# Altium PCB InsaneKeyboard.PcbDoc (part 1 of 4) (continued)
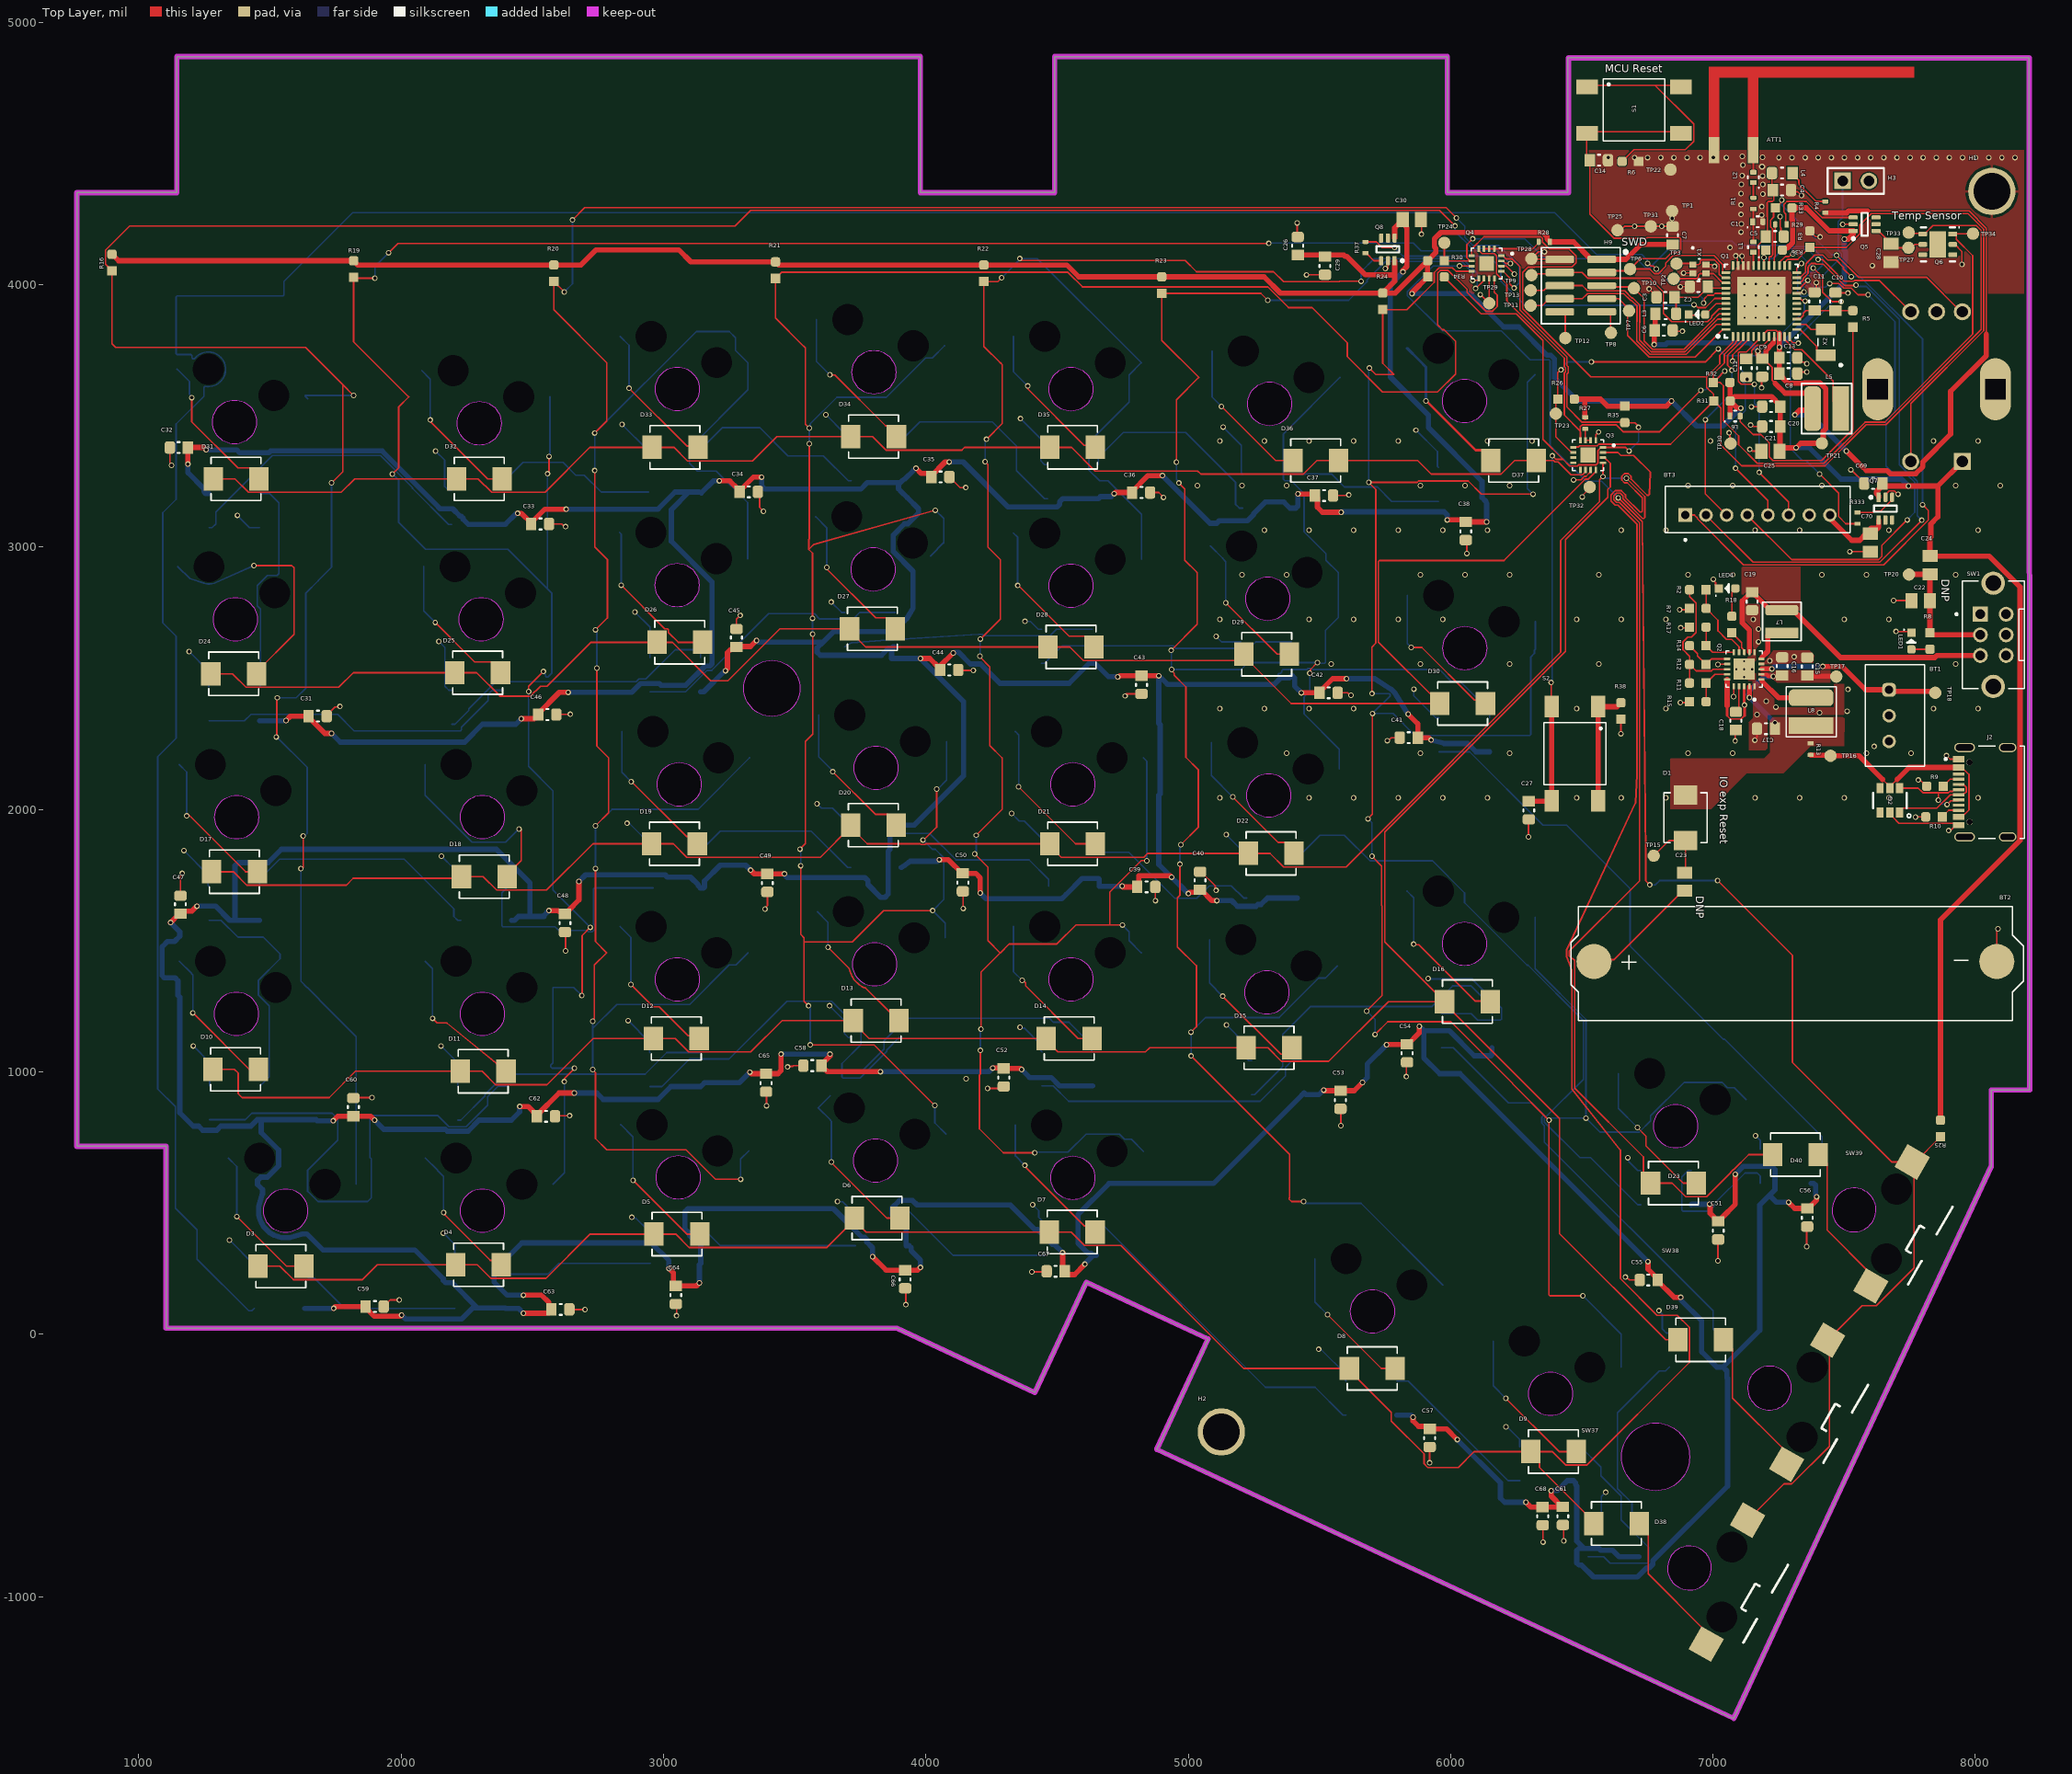
[diagram p0: Top Layer view]
## Design rules (kind name [scope] priority, off if disabled: settings)
BoardOutlineClearance [All] p1: gap=9 ignorepadtopadclearanceinfootprint=FALSE
Clearance [All] p1: gap=4 ignorepadtopadclearanceinfootprint=FALSE
HoleSize [All] p1: absolutevalues=TRUE maxlimit=248 minlimit=1 maxpercent=80.000 minpercent=20.000
HoleToHoleClearance [All] p1: gap=7.87 allowstackedmicrovias=TRUE
MinimumSolderMaskSliver [All] p1: minsoldermaskwidth=1
PlaneClearance [All] p1: clearance=20
PlaneConnect [All] p1: planeconnectstyle=Direct reliefexpansion=20 reliefentries=4 reliefconductorwidth=10 reliefairgap=10
PolygonConnect vout [InNet('+3.3V') or InNet('VAEM')] p1: connectstyle=Direct reliefconductorwidth=10 reliefentries=4 polygonreliefangle="90 Angle" airgapwidth=10
PolygonConnect [All] p2: thpad.connectstyle=Relief thpad.reliefconductorwidth=10 thpad.reliefentries=4 thpad.polygonreliefangle="90 Angle" thpad.airgapwidth=10 smdpad.connectstyle=Direct smdpad.reliefconductorwidth=10 smdpad.reliefentries=4 smdpad.polygonreliefangle="90 Angle" smdpad.airgapwidth=10 via.connectstyle=Direct via.reliefconductorwidth=10 via.reliefentries=4 via.polygonreliefangle="90 Angle" via.airgapwidth=10
RoutingVias [All] p1: holewidth=13 width=21 viastyle="Through Hole" minholewidth=6 minwidth=10 maxholewidth=13 maxwidth=25
SilkToSilkClearance [All] p1: silktosilkclearance=4
SilkToSolderMaskClearance [IsPad] p1: minsilkscreentomaskgap=4 clearancetoexposedcopper=TRUE
SolderMaskExpansion [All] p1: expansion=4 istentingtop=FALSE
UnRoutedNet [All] p1: checkbadconnections=TRUE
Width "Schematic Width Constraint_10" [InNet('DISPLAY_LOAD_SW')] p1: maxlimit=20 minlimit=6 preferedwidth=20
Width "Schematic Width Constraint_9" [InNet('LED_PWR')] p2: maxlimit=20 minlimit=6 preferedwidth=20
Width "Schematic Width Constraint_8" [InNet('VBAT')] p3: maxlimit=20 minlimit=6 preferedwidth=20
Width "Schematic Width Constraint_7" [InNet('VDCDC')] p4: maxlimit=20 minlimit=6 preferedwidth=20
Width "Schematic Width Constraint_6" [InNet('NetC17_1')] p5: maxlimit=20 minlimit=6 preferedwidth=20
Width "Schematic Width Constraint_3" [InNet('VSTOR')] p6: maxlimit=20 minlimit=6 preferedwidth=20
Width "Schematic Width Constraint_2" [InNet('NetL8_2')] p7: maxlimit=20 minlimit=6 preferedwidth=20
Width "Schematic Width Constraint" [InNet('+3.3V')] p8: maxlimit=20 minlimit=6 preferedwidth=20
Width "Schematic Width Constraint_5" [InNet('USB_VCC')] p9: maxlimit=20 minlimit=6 preferedwidth=20
Width "Schematic Width Constraint_4" [InNet('VMCU')] p10: maxlimit=20 minlimit=6 preferedwidth=20
Width "Schematic Width Constraint_1" [InNet('VOUT')] p11: maxlimit=20 minlimit=6 preferedwidth=20
Width [All] p12: maxlimit=20 minlimit=6 preferedwidth=6
22 further rules are at their usual default settings.

## Classes and differential pairs
component class LIGHTS: C29 C30 C31 C32 C33 C34 C35 C36 C37 C38 C39 C40 C41 C42 C43 C44 C45 C46 C47 C48 C49 C50 C51 C52 C53 C54 C55 C56 C57 C58 C59 C60 C61 C62 C63 C64 C65 C66 C67 C68 LED LED5 LED6 LED7 LED8 LED9 LED10 LED11 LED12 LED13 LED14 LED15 LED16 LED17 LED18 LED19 LED20 LED21 LED22 LED23 LED24 LED25 LED26 LED27 LED28 LED29 LED30 LED31 LED32 LED33 LED34 LED35 LED36 LED37 LED38 LED39 LED40 LED41 Q8 R37
component class DISPLAY: BT3 C69 C70 Q7 R333
net class RADIO_PF[7..0]: RADIO_PF0 RADIO_PF1 RADIO_PF2 RADIO_PF3 RADIO_PF4 RADIO_PF5 RADIO_PF6 RADIO_PF7
net class RADIO_PB[15..11]: RADIO_PB11 RADIO_PB12 RADIO_PB13 RADIO_PB14 RADIO_PB15
net class IO_ROW_P[7..0]: IO_ROW_P0 IO_ROW_P1 IO_ROW_P2 IO_ROW_P3 IO_ROW_P4 IO_ROW_P5 IO_ROW_P6 IO_ROW_P7
net class IO_COL_P[7..0]: IO_COL_P0 IO_COL_P1 IO_COL_P2 IO_COL_P3 IO_COL_P4 IO_COL_P5 IO_COL_P6 IO_COL_P7
component class SWITCHES: D3 D4 D5 D6 D7 D8 D9 D10 D11 D12 D13 D14 D15 D16 D17 D18 D19 D20 D21 D22 D23 D24 D25 D26 D27 D28 D29 D30 D31 D32 D33 D34 D35 D36 D37 D38 D39 D40 H1 H2 R16 R19 R20 R21 R22 R23 R24 R25 SW2 SW3 SW4 SW5 SW6 SW7 SW8 SW9 SW10 SW11 SW12 SW13 SW14 SW15 SW16 SW17 SW18 SW19 SW20 SW21 SW22 SW23 SW24 SW25 SW26 SW27 SW28 SW29 SW30 SW31 SW32 SW33 SW34 SW35 SW36 SW37 SW38 SW39
component class RF_ANTENNA_POWER: ATT1 C1 C2 C3 C4 C5 C6 C7 C8 C9 C10 C11 C12 C13 L1 L2 L3 L4 L5 L6 Q1 R1 R4 R5 TP1 TP2 TP3 X1 X2
component class POWER: BT1 BT2 C15 C16 C17 C18 C19 C20 C21 C22 C23 C24 C25 D1 D2 J2 L7 L8 LED1 LED4 Q2 R2 R7 R8 R9 R10 R11 R12 R13 R14 R15 R17 R18 SW1 TP15 TP16 TP17 TP18 TP20 TP21 TP22
component class PERIPHERALS: C26 C27 C28 H3 LED2 MT1 Q3 Q4 Q5 Q6 R3 R26 R27 R28 R29 R30 R31 R32 R33 R34 R35 R36 R38 S2 TP23 TP24 TP25 TP27 TP28 TP29 TP30 TP31 TP32 TP33 TP34
component class EFR32_IO: C14 H9 R6 S1 TP6 TP7 TP8 TP9 TP10 TP11 TP12 TP13
net class RADIO_PD[15..10]: RADIO_PD10 RADIO_PD11 RADIO_PD12 RADIO_PD13 RADIO_PD14 RADIO_PD15
net class RADIO_PC[11..6]: RADIO_PC6 RADIO_PC7 RADIO_PC8 RADIO_PC9 RADIO_PC10 RADIO_PC11
net class RADIO_PA[5..0]: RADIO_PA0 RADIO_PA1 RADIO_PA2 RADIO_PA3 RADIO_PA4 RADIO_PA5

## Components (designator, comment, footprint, x,y, rotation, side; value= is the part's Value field where it differs from the comment)
ATT1 "F_Interverted" F_INVERTED 7153,4464 r90 top net-tie
BT1 "Battery 1000mAh" BATTERY 7671,2358 r90 top
BT2 "Solar Panel" "SOLAR PANEL" 7314,1421 r0 top
BT3 "1.54inch Waveshare Eink Display" "1.54inch waveshare eink" 7175,3169 r180 top
C1 "CAP 1.5pF 50V 0402" "CAPACITOR 0402" 7170.33,4240.22 r0 top value=1.5pF
C2 "CAP 100pF 100V 0603" "CAPACITOR 0603" 6946,3993 r180 top value=100pF
C3 "CAP 100pF 100V 0603" "CAPACITOR 0603" 6819,3952 r180 top value=100pF
C4 "CAP 220nF 50V 0603" "CAPACITOR 0603" 7263,4361 r0 top value=220nF
C5 "CAP 10pF 50V 0603" "CAPACITOR 0603" 7235.24,4184 r0 top value=10pF
C6 "CAP 4.7uF 25V 0603" "CAPACITOR 0603" 6812,3827 r0 top value=4.7uF
C7 "CAP 10uF 10V 0603" "CAPACITOR 0603" 6846,4188 r90 top value=10uF
C8 "CAP 1uF 10V 0603" "CAPACITOR 0603" 7287,3662 r0 top value=1uF
C9 "CAP 0.1uF 100V 0603" "CAPACITOR 0603" 7188,3684 r270 top value=10nF
C10 "CAP 10uF 10V 0603" "CAPACITOR 0603" 7467,3936 r90 top value=10uF
C11 "CAP 10nF 100V 0603" "CAPACITOR 0603" 7387,3936.55 r90 top value=10nF
C12 "CAP 1uF 10V 0603" "CAPACITOR 0603" 7127,3683 r270 top value=1uF
C13 "CAP 1uF 10V 0603" "CAPACITOR 0603" 7287,3722 r0 top value=1uF
C14 "CAP 1uF 10V 0603" "Capacitor 0603" 6565,4475 r0 top value=1uF
C15 "CAP 4.7uF 25V 0603" "CAPACITOR 0603" 7359,2545 r90 top value=4.7uF
C16 "CAP 10nF 100V 0603" "CAPACITOR 0603" 7264,2545.55 r90 top value=10nF
C17 "CAP 4.7uF 25V 0603" "CAPACITOR 0603" 7202.1,2307.91 r180 top value=4.7uF
C18 "CAP 10nF 100V 0603" "CAPACITOR 0603" 7087.1,2337.91 r90 top value=10nF
C19 "22uF 10V X5R 0603" "CAPACITOR 0603" 7149,2794 r270 top value=22uF
C20 "CAP 0.1uF 100V 0603" "CAPACITOR 0603" 7222,3536 r180 top value=10nF
C21 "CAP 0.1uF 100V 0603" "CAPACITOR 0603" 7222,3460 r180 top value=10nF
C22 "CAP 47uF 10V 0805" "CAPACITOR 0805" 7791.65,2796 r180 top value=47uF
C23 "CAP 47uF 10V 0805" "CAPACITOR 0805" 6891,1725 r270 top value=47uF
C24 "CAP 47uF 10V 0805" "CAPACITOR 0805" 7827,2931.35 r90 top value=47uF
C25 "CAP 47uF 10V 0805" "Capacitor 0805" 7219,3366 r180 top value=47uF
C26 "CAP 1uF 10V 0603" "Capacitor 0603" 5417,4148 r90 top value=1uF
C27 "CAP 1uF 10V 0603" "Capacitor 0603" 6298,1997 r270 top value=1uF
C28 "CAP 47uF 10V 0805" "CAPACITOR 0805" 7678,4121.35 r270 top value=47uF
C29 "CAP 1uF 10V 0603" "Capacitor 0603" 5521,4073 r270 top value=1uF
C30 "CAP 47uF 10V 0805" "CAPACITOR 0805" 5852,4248 r0 top value=47uF
C31 "CAP 1uF 10V 0603" "Capacitor 0603" 1682,2356 r0 top value=1uF
C32 "CAP 1uF 10V 0603" "Capacitor 0603" 1153,3380 r180 top value=1uF
C33 "CAP 1uF 10V 0603" "Capacitor 0603" 2529.68,3088.5 r0 top value=1uF
C34 "CAP 1uF 10V 0603" "Capacitor 0603" 3325,3211 r0 top value=1uF
C35 "CAP 1uF 10V 0603" "Capacitor 0603" 4055.24,3267.78 r0 top value=1uF
C36 "CAP 1uF 10V 0603" "Capacitor 0603" 4820.17,3208.48 r0 top value=1uF
C37 "CAP 1uF 10V 0603" "Capacitor 0603" 5517,3197 r0 top value=1uF
C38 "CAP 1uF 10V 0603" "Capacitor 0603" 6058,3061.55 r270 top value=1uF
C39 "CAP 1uF 10V 0603" "Capacitor 0603" 4840,1705 r0 top value=1uF
C40 "CAP 1uF 10V 0603" "Capacitor 0603" 5045,1728.45 r90 top value=1uF
C41 "CAP 1uF 10V 0603" "Capacitor 0603" 5840.45,2274 r180 top value=1uF
C42 "CAP 1uF 10V 0603" "Capacitor 0603" 5535,2445 r0 top value=1uF
C43 "CAP 1uF 10V 0603" "Capacitor 0603" 4822,2475.55 r270 top value=1uF
C44 "CAP 1uF 10V 0603" "Capacitor 0603" 4089,2532 r0 top value=1uF
C45 "CAP 1uF 10V 0603" "Capacitor 0603" 3278,2654 r90 top value=1uF
C46 "CAP 1uF 10V 0603" "Capacitor 0603" 2557,2362 r0 top value=1uF
C47 "CAP 1uF 10V 0603" "Capacitor 0603" 1159,1637.45 r90 top value=1uF
C48 "CAP 1uF 10V 0603" "Capacitor 0603" 2624.49,1567.78 r270 top value=1uF
C49 "CAP 1uF 10V 0603" "Capacitor 0603" 3396,1720.55 r270 top value=1uF
C50 "CAP 1uF 10V 0603" "Capacitor 0603" 4141,1722.55 r270 top value=1uF
C51 "CAP 1uF 10V 0603" "Capacitor 0603" 7020,396 r270 top value=1uF
C52 "CAP 1uF 10V 0603" "Capacitor 0603" 4297,979 r270 top value=1uF
C53 "CAP 1uF 10V 0603" "Capacitor 0603" 5580,894 r270 top value=1uF
C54 "CAP 1uF 10V 0603" "Capacitor 0603" 5834,1071.45 r270 top value=1uF
C55 "CAP 1uF 10V 0603" "Capacitor 0603" 6755,207 r180 top value=1uF
C56 "CAP 1uF 10V 0603" "Capacitor 0603" 7359,445 r270 top value=1uF
C57 "CAP 1uF 10V 0603" "Capacitor 0603" 5920,-395 r270 top value=1uF
C58 "CAP 1uF 10V 0603" "Capacitor 0603" 3567.45,1024 r180 top value=1uF
C59 "CAP 1uF 10V 0603" "Capacitor 0603" 1899,106 r0 top value=1uF
C60 "CAP 1uF 10V 0603" "Capacitor 0603" 1818,866 r90 top value=1uF
C61 "CAP 1uF 10V 0603" "Capacitor 0603" 6428,-692 r270 top value=1uF
C62 "CAP 1uF 10V 0603" "Capacitor 0603" 2552,831 r0 top value=1uF
C63 "CAP 1uF 10V 0603" "Capacitor 0603" 2607,95 r0 top value=1uF
C64 "CAP 1uF 10V 0603" "Capacitor 0603" 3047,150 r270 top value=1uF
C65 "CAP 1uF 10V 0603" "Capacitor 0603" 3391,959 r270 top value=1uF
C66 "CAP 1uF 10V 0603" "Capacitor 0603" 3921,210 r270 top value=1uF
C67 "CAP 1uF 10V 0603" "Capacitor 0603" 4495,240 r180 top value=1uF
C68 "CAP 1uF 10V 0603" "Capacitor 0603" 6351,-693 r270 top value=1uF
C69 "CAP 1uF 10V 0603" "Capacitor 0603" 7611,3243 r180 top value=1uF
C70 "CAP 47uF 10V 0805" "CAPACITOR 0805" 7599,3017 r270 top value=47uF
D1 "Diode Schottky" "DIODE SCHOTTKY" 6895,1969 r270 top value=150pF
D2 "SRV05-4-P-T7" TVS 7674.01,2034.16 r90 top value="TVS DIODE 5.5V 6TSOP"
D3 "Diode Schottky" "DIODE SCHOTTKY" 1542,260 r0 top value=150pF
D4 "Diode Schottky" "DIODE SCHOTTKY" 2295,265 r0 top value=150pF
D5 "Diode Schottky" "DIODE SCHOTTKY" 3051,382 r0 top value=150pF
D6 "Diode Schottky" "DIODE SCHOTTKY" 3814,443 r0 top value=150pF
D7 "Diode Schottky" "DIODE SCHOTTKY" 4558,390 r0 top value=150pF
D8 "Diode Schottky" "DIODE SCHOTTKY" 5701,-130 r0 top value=150pF
D9 "Diode Schottky" "DIODE SCHOTTKY" 6392,-447 r0 top value=150pF
D10 "Diode Schottky" "DIODE SCHOTTKY" 1369,1010 r0 top value=150pF
D11 "Diode Schottky" "DIODE SCHOTTKY" 2312.95,1002.53 r0 top value=150pF
D12 "Diode Schottky" "DIODE SCHOTTKY" 3048.95,1127.53 r0 top value=150pF
D13 "Diode Schottky" "DIODE SCHOTTKY" 3809.95,1195.53 r0 top value=150pF
D14 "Diode Schottky" "DIODE SCHOTTKY" 4545.95,1127.53 r0 top value=150pF
D15 "Diode Schottky" "DIODE SCHOTTKY" 5308,1092 r0 top value=150pF
D16 "Diode Schottky" "DIODE SCHOTTKY" 6064,1268 r0 top value=150pF
D17 "Diode Schottky" "DIODE SCHOTTKY" 1365,1763 r0 top value=150pF
D18 "Diode Schottky" "DIODE SCHOTTKY" 2316.95,1744.53 r0 top value=150pF
D19 "Diode Schottky" "DIODE SCHOTTKY" 3041.95,1869.53 r0 top value=150pF
D20 "Diode Schottky" "DIODE SCHOTTKY" 3799.95,1940.53 r0 top value=150pF
D21 "Diode Schottky" "DIODE SCHOTTKY" 4558.95,1869.53 r0 top value=150pF
D22 "Diode Schottky" "DIODE SCHOTTKY" 5316,1833 r0 top value=150pF
D23 "Diode Schottky" "DIODE SCHOTTKY" 6849,576 r0 top value=150pF
D24 "Diode Schottky" "DIODE SCHOTTKY" 1361.95,2517.53 r0 top value=150pF
D25 "Diode Schottky" "DIODE SCHOTTKY" 2291.95,2521.53 r0 top value=150pF
D26 "Diode Schottky" "DIODE SCHOTTKY" 3061.95,2637.53 r0 top value=150pF
D27 "Diode Schottky" "DIODE SCHOTTKY" 3796,2689 r0 top value=150pF
D28 "Diode Schottky" "DIODE SCHOTTKY" 4552.95,2619.53 r0 top value=150pF
D29 "Diode Schottky" "DIODE SCHOTTKY" 5299,2592 r0 top value=150pF
D30 "Diode Schottky" "DIODE SCHOTTKY" 6046,2404 r0 top value=150pF
D31 "Diode Schottky" "DIODE SCHOTTKY" 1370.95,3260.53 r0 top value=150pF
D32 "Diode Schottky" "DIODE SCHOTTKY" 2297.95,3260.53 r0 top value=150pF
D33 "Diode Schottky" "DIODE SCHOTTKY" 3043.95,3380.53 r0 top value=150pF
D34 "Diode Schottky" "DIODE SCHOTTKY" 3800.95,3421.53 r0 top value=150pF
D35 "Diode Schottky" "DIODE SCHOTTKY" 4558.95,3380.53 r0 top value=150pF
D36 "Diode Schottky" "DIODE SCHOTTKY" 5486,3330 r180 top value=150pF
D37 "Diode Schottky" "DIODE SCHOTTKY" 6240,3330 r180 top value=150pF
D38 "Diode Schottky" "DIODE SCHOTTKY" 6632,-721 r0 top value=150pF
D39 "Diode Schottky" "DIODE SCHOTTKY" 6953,-21 r0 top value=150pF
D40 "Diode Schottky" "DIODE SCHOTTKY" 7314,685 r0 top value=150pF
H1 "#4 Hole" Hole 8063,4356 r180 top
H2 "#4 Hole" HOLE 5126,-372 r180 top
H3 "0.1\" M Header" 2-PIN_MALE_HEADER_01-IN 7544,4396 r0 top
H9 "Mini SWD" "MINI SIMPLICITY CONNECTOR" 6496,3997 r270 top
J2 "Female USB Type C" "TYPE C" 8123.01,2066.16 r270 top
L1 "1.9nH" "FERRITE 0402" 7154,4144 r90 top
L2 "1.9nH" "FERRITE 0402" 7153.68,4409.25 r90 top
L3 "Ferrite Bead 600(601) 1LN" "FERRITE 0603" 6819,3890 r0 top
L4 "Ferrite Bead 600(601) 1LN" "FERRITE 0603" 7265,4426 r180 top
L5 "IND 4.7uH 1515" "IND 22UH (1.6X4.3)" 7486,3528 r180 top
L6 "Farrite Bead 102(1k)" "FERRITE 0402" 7084,3500 r0 top
L7 "IND 10uH 1111" "IND 10UH (1X3.2)" 7262,2673.39 r90 top
L8 "IND 22uH 1515" "IND 22UH (1.6X4.3)" 7374,2320 r90 top
LED "WS2812B" WS2812B 1537,164 r0 bottom
LED1 "GRN 0603" "LED 0603" 7752,2641 r270 top
LED2 "GRN 0603" "LED 0603" 6940,3883 r0 top
LED4 "GRN 0603" "LED 0603" 7055,2839 r0 top
LED5 "WS2812B" WS2812B 2301,164 r0 bottom
LED6 "WS2812B" WS2812B 3046,335 r0 bottom
LED7 "WS2812B" WS2812B 3828,403 r0 bottom
LED8 "WS2812B" WS2812B 4553,366 r0 bottom
LED9 "WS2812B" WS2812B 5698,-243 r0 bottom
LED10 "WS2812B" WS2812B 6360,-493 r0 bottom
LED11 "WS2812B" WS2812B 6621,-783 r0 bottom
LED12 "WS2812B" WS2812B 1367,883 r0 bottom
LED13 "WS2812B" WS2812B 2312,881 r0 bottom
LED14 "WS2812B" WS2812B 3045,1009 r0 bottom
LED15 "WS2812B" WS2812B 3813,1066 r0 bottom
LED16 "WS2812B" WS2812B 4539,1012 r0 bottom
LED17 "WS2812B" WS2812B 5338,978 r0 bottom
LED18 "WS2812B" WS2812B 6061,1157 r0 bottom
LED19 "WS2812B" WS2812B 6930,-60 r0 bottom
LED20 "WS2812B" WS2812B 1364,1643 r0 bottom
LED21 "WS2812B" WS2812B 2324,1643 r0 bottom
LED22 "WS2812B" WS2812B 3056,1766 r0 bottom
LED23 "WS2812B" WS2812B 3810,1844 r0 bottom
LED24 "WS2812B" WS2812B 4564.46,1771.96 r0 bottom
LED25 "WS2812B" WS2812B 5319,1728 r0 bottom
LED26 "WS2812B" WS2812B 6821,559 r0 bottom
LED27 "WS2812B" WS2812B 7276.8,640.76 r0 bottom
LED28 "WS2812B" WS2812B 1364,2403 r0 bottom
LED29 "WS2812B" WS2812B 2290,2390 r0 bottom
LED30 "WS2812B" WS2812B 3045,2514 r0 bottom
LED31 "WS2812B" WS2812B 3787,2686 r0 bottom
LED32 "WS2812B" WS2812B 4537,2622 r0 bottom
LED33 "WS2812B" WS2812B 5297,2574 r0 bottom
LED34 "WS2812B" WS2812B 6052,2285 r0 bottom
LED35 "WS2812B" WS2812B 1364,3139 r180 bottom
LED36 "WS2812B" WS2812B 2289,3152 r0 bottom
LED37 "WS2812B" WS2812B 3039,3275 r0 bottom
LED38 "WS2812B" WS2812B 3813,3318 r0 bottom
LED39 "WS2812B" WS2812B 4561,3250 r0 bottom
LED40 "WS2812B" WS2812B 5303,3214 r0 bottom
LED41 "WS2812B" WS2812B 6050,3239 r0 bottom
MT1 "Rotery Encoder" "Rotery Encoder" 7852,3602 r180 bottom
Q1 "EFR32BG13P632F512GM32-DR" EFR32BG 7184.24,3938.1 r0 top
Q2 "BQ25570RGRR" BQ25570RGRR 7119,2535 r90 top
Q3 "TCA6408ARGTR" "TCA6408ARGTR - IO EXPANDER" 6524,3351 r180 top
Q4 "TCA6408ARGTR" "TCA6408ARGTR - IO EXPANDER" 6137,4081 r180 top
Q5 "TPS22919" "TPS22919DCKR - LOAD SW" 7578,4231 r0 top
Q6 "SI7021-A20-GM1R" "SI7021-A20 - TEMP" 7857,4154 r180 top
Q7 "TPS22919" "TPS22919DCKR - Load SW" 7657,3147 r270 top
Q8 "TPS22919" "TPS22919DCKR - Load SW" 5761,4135 r90 top
R1 "RES 0R 0402" "RESISTOR 0402" 7154,4310 r90 top value=0R
R2 "RES 8.2M 0603" "RESISTOR 0603" 6942.1,2837.91 r180 top value=8.2MR
R3 "RES 330K 0603" "Resistor 0603" 7369,4174 r90 top value=330kR
R4 "RES 0R 0402" "RESISTOR 0402" 7428,4296 r90 top value=0R
R5 "RES 1R 0603" "RESISTOR 0603" 7533,3870 r90 top value=1R
R6 "RES 100R 0603" "RESISTOR 0603" 6685,4470 r180 top value=100R
R7 "RES 4.75M 0603" "RESISTOR 0603" 6942.1,2766.74 r0 top value=4.75MR
R8 "RES 100R 0603" "RESISTOR 0603" 7827,2642.5 r270 top value=100R
R9 "RES 5.1K 0603" "RESISTOR 0603" 7846.01,2089.16 r180 top value=5.1kR
R10 "RES 5.1K 0603" "RESISTOR 0603" 7842.01,1972.16 r180 top value=5.1kR
R11 "RES 7.32M 0603" "RESISTOR 0603" 6942.1,2482.08 r180 top value=7.32MR
R12 "RES 1.24M 0603" "RESISTOR 0603" 6942.1,2553.25 r180 top value=1.24MR
R13 "RES 0R 0402" "RESISTOR 0402" 7372.14,2230.12 r270 top value=0R
R14 "RES 6.65M 0603" "RESISTOR 0603" 6942.1,2624.41 r180 top value=6.65MR
R15 "RES 5.62M 0603" "RESISTOR 0603" 6942.1,2410.91 r0 top value=5.6MR
R16 "RES 10K 0603" "Resistor 0603" 898,4085 r90 top value=10kR
R17 "RES 4.99M 0603" "RESISTOR 0603" 6942.1,2695.58 r0 top value=4.99MR
R18 "RES 100R 0603" "RESISTOR 0603" 7072,2705 r90 top value=100R
R19 "RES 10K 0603" "Resistor 0603" 1819,4060 r90 top value=10kR
R20 "RES 10K 0603" "RESISTOR 0603" 2582,4044 r90 top value=10kR
R21 "RES 10K 0603" "RESISTOR 0603" 3427,4056 r90 top value=10kR
R22 "RES 10K 0603" "RESISTOR 0603" 4221,4044 r90 top value=10kR
R23 "RES 10K 0603" "RESISTOR 0603" 4899,3999 r90 top value=10kR
R24 "RES 10K 0603" "RESISTOR 0603" 5741,3937 r90 top value=10kR
R25 "RES 10K 0603" "RESISTOR 0603" 7867,784.5 r90 top value=10kR
R26 "RES 10K 0603" "RESISTOR 0603" 6440,3564 r0 top value=10kR
R27 "RES 0R 0402" "RESISTOR 0402" 6513,3472.65 r270 top value=0R
R28 "RES 0R 0402" "RESISTOR 0402" 6357,4164 r180 top value=0R
R29 "RES 0R 0402" "RESISTOR 0402" 7259,4230 r180 top value=0R
R30 "RES 10K 0603" "RESISTOR 0603" 5944,4092 r180 top value=10kR
R31 "RES 10K 0603" "RESISTOR 0603" 7034,3557 r0 top value=10kR
R32 "RES 10K 0603" "RESISTOR 0603" 7033,3628 r0 top value=10kR
R33 "RES 10K 0603" "Resistor 0603" 7269.78,4293 r0 top value=10kR
R34 "RES 10K 0603" "Resistor 0603" 5944,4030 r0 top value=10kR
R35 "RES 10K 0603" "Resistor 0603" 6664,3506 r270 top value=10kR
R36 "RES 10K 0603" "Resistor 0603" 7232.78,4132.61 r0 top value=10kR
R37 "RES 0R 0402" "Resistor 0402" 5675,4142 r90 top value=0R
R38 "RES 100R 0603" "Resistor 0603" 6649,2375.5 r90 top value=100R
R333 "RES 0R 0402" "Resistor 0402" 7551,3111 r270 top value=0R
S1 "SPST" SPST 6699,4666 r0 top
S2 "SPST" SPST 6474,2213 r270 top
SW1 "DPDT" DPDT 8068,2666 r270 top
SW2 "Gateron G Pro 2.0" "MECHANICAL SWITCH" 1560.07,471.25 r0 bottom
SW3 "Gateron G Pro 2.0" "MECHANICAL SWITCH" 2310.08,471.25 r0 bottom
SW4 "Gateron G Pro 2.0" "MECHANICAL SWITCH" 3056,598 r0 bottom
SW5 "Gateron G Pro 2.0" "MECHANICAL SWITCH" 3808,662.21 r0 bottom
SW6 "Gateron G Pro 2.0" "MECHANICAL SWITCH" 4560.1,596.25 r0 bottom
SW7 "Gateron G Pro 2.0" "MECHANICAL SWITCH" 5702,87.21 r0 bottom
SW8 "Gateron G Pro 2.0" "MECHANICAL SWITCH" 6381.12,-226.86 r0 bottom
SW9 "Gateron G Pro 2.0" "MECHANICAL SWITCH" 1372.57,1221.26 r0 bottom
SW10 "Gateron G Pro 2.0" "MECHANICAL SWITCH" 2310.08,1221.26 r0 bottom
SW11 "Gateron G Pro 2.0" "MECHANICAL SWITCH" 3053.01,1353.09 r0 bottom